# Altium PCB SJ2088POE.PcbDoc (part 5 of 6) (continued)
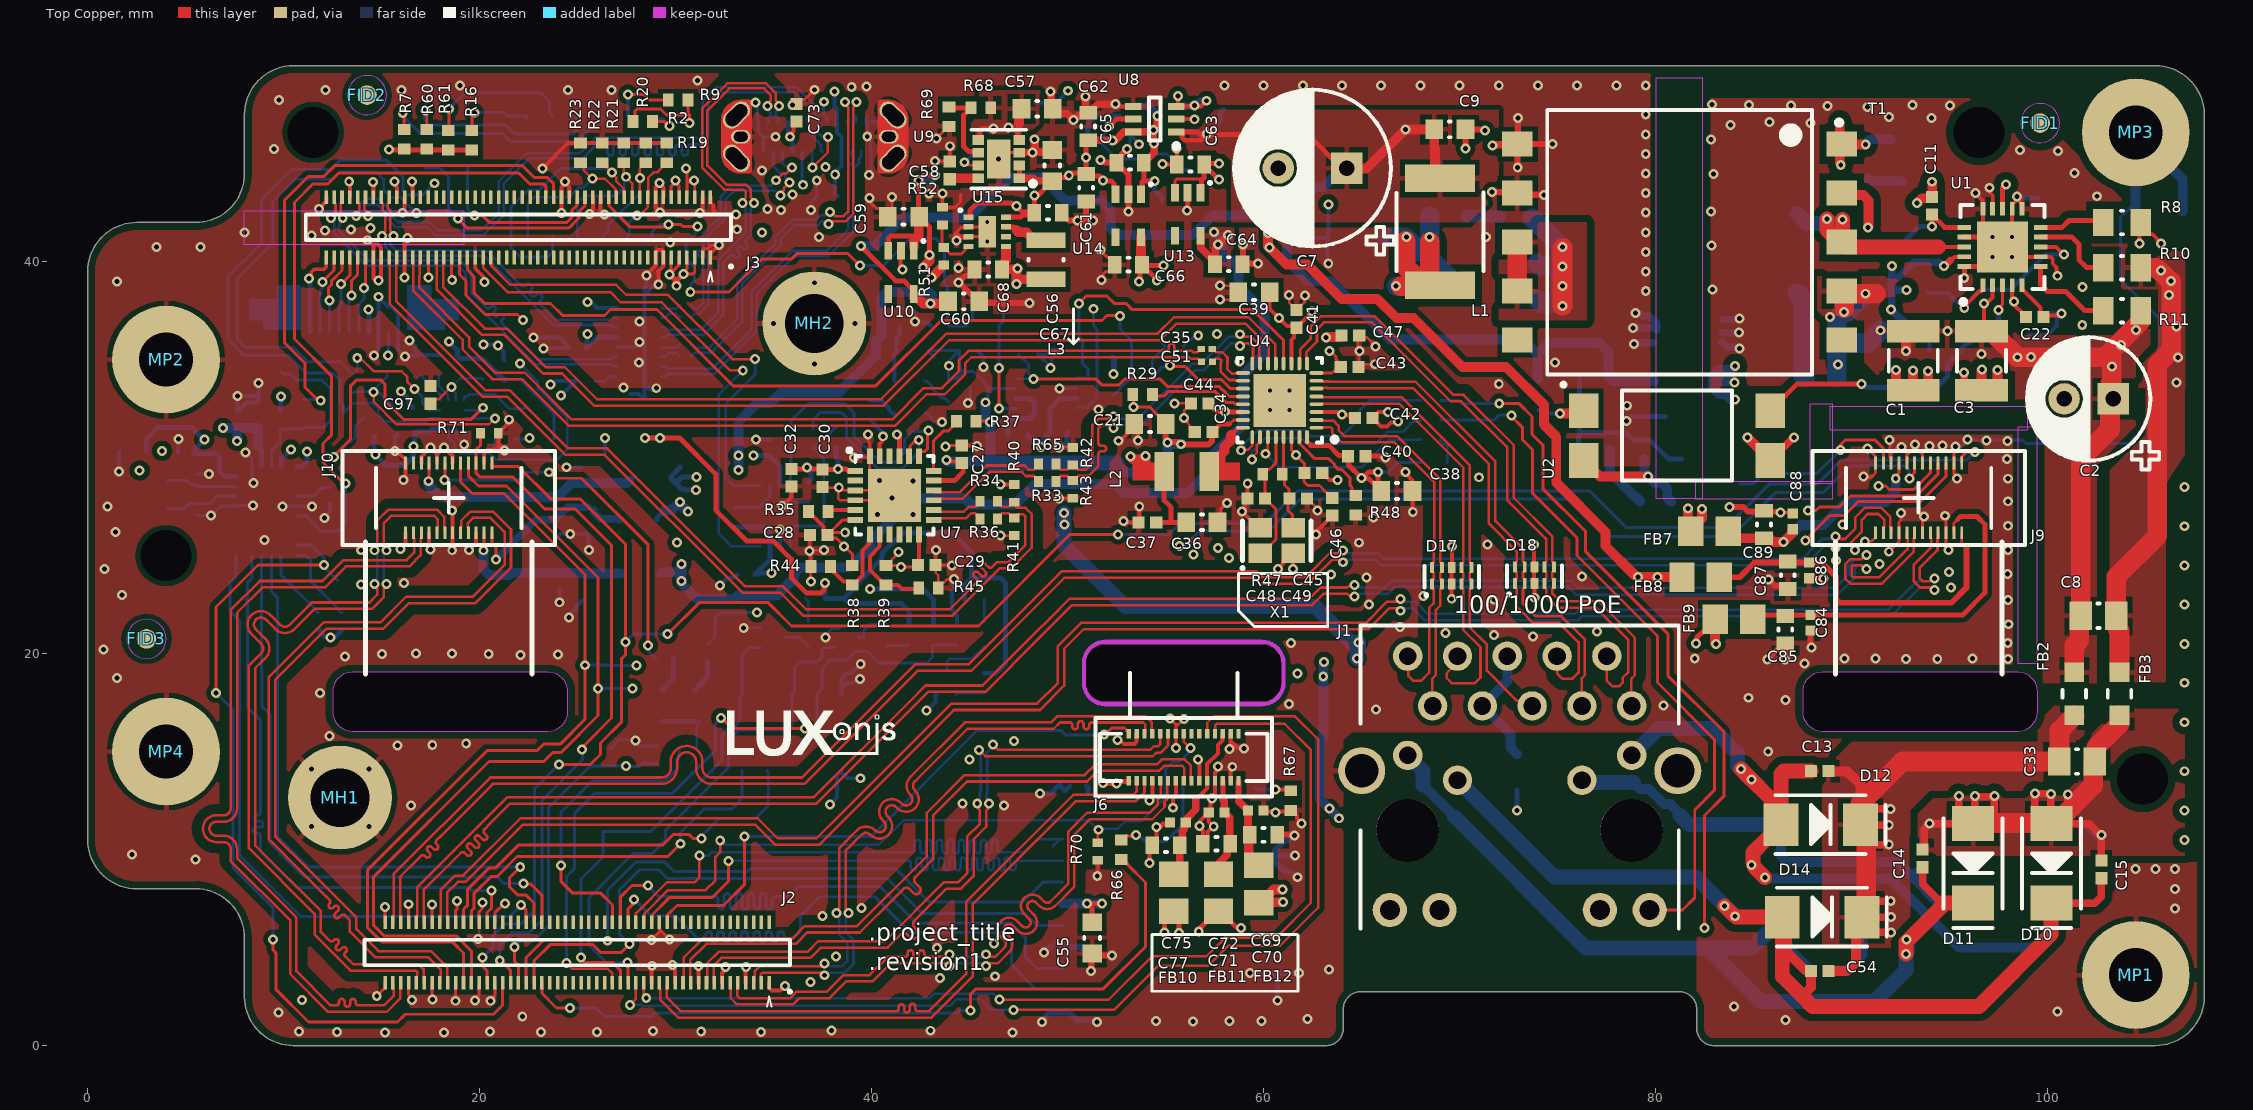
[diagram p0: Top Copper view]
## Nets (pads, with @x,y where several pads share a name; then routed paths per layer and width w, separated by ;. In a path a pad name is that pad's centre, name@x,y a point inside that pad or via, vN(x,y) a via of type N, cw(c..) or ccw(c..) an arc to the next point about the centre after c; other vN are vias at no path point) (continued)
NetTP17_1: TP17.1 U8.5 | length 7.7
  Top Copper w0.254: v1(52.109,46.9) 52.484,47.275 U8.5@53.345,47.275
  Bottom Copper w0.152: v1(52.109,46.9) 52.109,46.804 51.994,46.689 51.994,46.638 51.75,46.394 51.75,46 52.5,45.25 54,45.25 54.25,45.5 55.075,45.5 55.905,44.67 TP17.1@56.234,44.67
NetTP21_1: TP21.1 U11.5 | length 3.3
  Bottom Copper w0.254: TP21.1@51,46.25 51.01,46.26 51.01,46.978 51.459,47.427 52.628,47.427 52.748,47.308 53.313,47.308 U11.5@53.345,47.275
NetTP42_1: TP42.1 U62.6 | length 3.7
  Bottom Copper w0.127: U62.6@19.215,32.965 19.215,33.096 19.251,33.133 19.383,33.133 19.475,33.225 20.775,33.225 21.5,32.5 22.275,32.5 TP42.1@22.35,32.575
nRST_LED: D7.2 R56.1 | length 1.3
  Bottom Copper w0.127: R56.1@36.625,22.825 36.775,22.675 D7.2@36.775,21.625
OE_DIFF0: R35.2 U7.5 | length 1.4
  Top Copper w0.206: R35.2@37.775,27.25 37.852,27.327 U7.5@39.163,27.327
OE_DIFF1: R37.2 U7.18 | length 2.8
  Top Copper w0.152: U7.18@43.163,29.327 43.163,30.863 43.65,31.35 43.9,31.35 R37.2@44.1,31.55
OS_EN: OS1.1 R30.1 | length 1.7
  Bottom Copper w0.152: OS1.1@42.725,33.9 42.825,33.9 43.074,33.651 43.074,33.551 43.576,33.049 43.726,33.049 R30.1@43.925,32.85
OS_OUT: OS1.3 R64.2 | length 1.6
  Bottom Copper w0.206: R64.2@39.927,32.917 40.508,32.917 40.853,32.572 40.853,32.472 41.075,32.25 OS1.3@41.175,32.25
OS_VIN: C20.1 FB1.1 OS1.4 | length 2.9
  Bottom Copper w0.206: OS1.4@41.175,33.9 41.175,35.29 41.278,35.393 41.278,36.103 41.428,36.253 C20.1@41.428,36.69
PCIE_1V0: C36.2 C37.2 C42.2 C43.2 C44.2 C45.2 C46.2 C47.2 L2.2 U4.3 U4.8 U4.22 U4.30 | length 30.4
  Top Copper w0.152: U4.30@61.423,31.05 61.423,30.396 61.644,30.175 v1(61.644,30.129) 62.099,29.674 62.099,29.374 62.147,29.326 C45.2@62.198,29.275 ; C45.2@62.095,29.225 62.058,29.188 62.058,28.765 62.248,28.575 62.85,28.575 63.241,28.184 63.266,28.184 C46.2@63.5,27.95 ; U4.8@62.698,34.325 63.49,34.325 63.94,34.775 63.706,35.009 63.706,35.139 v1@63.393,35.452
  Top Copper w0.203: U4.3@62.698,32.325 63.748,32.325 v1@63.904,32.169 ; v1@64,32.169 64.306,32.169 C42.2@64.425,32.05
  Top Copper w0.254: C37.2@54.525,26.7 55.287,26.7 ; L2.2@54.925,29.3 54.925,27.825 55.287,27.463 55.287,26.7 ; C36.2@56.05,26.7 55.287,26.7 ; C44.2@57.198,32.767 57.61,32.355 v1(58.036,32.355) 58.066,32.325 U4.22@58.948,32.325
  Top Copper w0.508: v1(53.219,30.052) 53.376,29.895 53.797,29.895 v1(53.984,30.081) 53.984,29.541 54.075,29.45 ; v1@63.228,36.141 63.234,36.147 63.91,36.147 C47.2@63.913,36.15
  Signal Layer 2 w0.508: v1(58.036,32.355) 58.036,33.161 59.55,34.675 62.275,34.675 ; v1(61.644,30.129) 63.715,32.2 62.275,33.64 62.275,34.675 ; v1@63.228,36.141 63.228,35.628 62.275,34.675
  other v1: 64,32.2 63.368,35.452 63.178,36.141
PCIe_CLKREQ_N_1V8: J3.65 U6.4 | length 45.9
  Top Copper w0.152: J3.65@18.975,40.21 18.975,39.35 19.3,39.025 19.3,38.275 20.275,37.3 21.935,37.3 v1(22.204,37.031)
  Signal Layer 3 w0.152: v1(22.204,37.031) 23.719,37.031 24.5,36.25 24.5,35.5 25.675,34.325 31.475,34.325 32.6,33.2 40.4,33.2 43.825,36.625 50.125,36.625 ; 50.125,36.625 50.348,36.625 v1(51.321,37.598) 51.098,37.598 50.125,36.625
  Bottom Copper w0.152: U6.4@50.475,32.525 50.522,32.572 50.996,32.572 51.5,33.076 51.5,36.55 51.321,36.729 v1(51.321,37.598)
PCIe_CLKREQ_N_3V3: R46.2 U4.12 U6.1 | length 17.5
  Top Copper w0.152: v1(50.575,37.875) 50.95,38.25 52,38.25 52.375,37.875 ; 52.564,37.875 52.375,37.875 ; U4.12@61.023,34.8 61.023,35.977 59.45,37.55 53.3,37.55 52.975,37.875 52.375,37.875
  Bottom Copper w0.152: U6.1@50.475,34.025 50.522,34.072 50.961,34.072 51.05,34.161 51.05,34.525 50.764,34.811 50.764,35.986 50.575,36.175 v1(50.575,37.875)
PCIe_ISOLATE_N_1V8: R27.2 U6.5 | length 6.3
  Top Copper w0.152: v1(46.5,32.5) v1(46.5,34.575)
  Bottom Copper w0.152: v1(46.5,32.5) 47.35,32.5 U6.5@47.375,32.525 ; v1(46.5,34.575) 46.5,36.735 46.725,36.96 46.725,37.759 R27.2@46.75,37.734
PCIe_ISOLATE_N_3V3: R49.2 U4.20 U6.8 | length 13.8
  Top Copper w0.152: v1(48.25,34.019) 51.432,34.019 51.438,34.025 51.762,33.7 52.6,33.7 52.925,34.025 54.7,34.025 55.084,33.641 57.724,33.641 57.895,33.471 57.914,33.471 58.26,33.125 U4.20@58.948,33.125
  Bottom Copper w0.127: U6.8@47.375,34.025 47.381,34.019 v1(48.25,34.019)
  Bottom Copper w0.152: R49.2@47.5,35.275 47.5,35.225 47.699,35.026 47.749,35.026 48,34.775 48,34.292 48.25,34.042 v1(48.25,34.019)
PCIe_PERST_1V8: J3.63 Q1.1 | length 43.3
  Top Copper w0.152: J3.63@19.375,40.21 19.375,39.575 19.7,39.25 19.7,38.425 20.253,37.872 23.613,37.872 24.235,37.25 26.375,37.25 26.682,37.557 29.043,37.557 32.932,33.668 40.216,33.668 43.548,37 51.75,37 52,37.25 52.641,37.25 v1(52.67,37.222)
  Bottom Copper w0.152: Q1.1@52.325,33.2 52.375,33.2 52.699,33.524 52.699,33.574 53.25,34.125 53.25,36 52.67,36.58 v1(52.67,37.222)
PCIe_PERST_N_3V3: Q1.3 R28.2 U4.19 | length 7.4
  Top Copper w0.152: v1@55.125,34.7 55.175,34.65 56,34.65 56.65,34 57.825,34 58.3,33.525 U4.19@58.948,33.525
  Bottom Copper w0.127: Q1.3@54.325,34.15 54.325,35 R28.2@54.95,35.625
  Bottom Copper w0.152: Q1.3@54.325,34.15 54.375,34.15 54.699,34.474 54.699,34.524 54.811,34.636 55.061,34.636 v1@55.125,34.7 ; R28.2@54.751,35.924 54.95,35.725 R28.2@54.95,35.675
  other v1: 55.225,34.7
PCIe_WAKE_N: R29.2 U4.21 | length 5
  Top Copper w0.152: R29.2@54.325,33.225 54.4,33.15 54.925,33.15 55.162,33.387 57.509,33.387 58.074,32.823 58.461,32.823 58.55,32.734 58.939,32.734 U4.21@58.948,32.725
PG_LED: D3.2 R53.1 | length 1.2
  Bottom Copper w0.152: D3.2@40.75,20.375 40.8,20.425 R53.1@41.9,20.425
RCL: R10.2 U1.9 | length 4.3
  Top Copper w0.203: R10.2@102.884,40.2 R10.2@102.907,40.224
  Top Copper w0.254: U1.9@99.65,41.25 101.25,41.25 101.6,40.9 101.6,40.1 102,39.7 R10.2@102.85,39.7
RDET: R11.2 U1.6 | length 5
  Top Copper w0.152: 99.65,39.277 U1.6@99.65,39.642
  Top Copper w0.254: U1.6@99.65,39.75 99.65,39.277 99.65,38.825 99.997,38.478 100.937,38.478 101.916,37.5 R11.2@102.85,37.5
REF_CLK_SS0: R38.2 R44.1 U7.7 | length 4.4
  Top Copper w0.206: R44.1@37.95,24.3 37.95,24.275 38.072,24.153 38.097,24.153 38.576,23.674 38.841,23.674 R38.2@39.013,23.502 39.063,23.502 39.542,23.981 39.542,25.267 39.9,25.625 39.9,26.064 U7.7@39.913,26.077
REF_CLK_SS1: R39.2 R45.1 U7.8 | length 4.9
  Top Copper w0.206: U7.8@40.413,26.077 40.413,25.463 39.913,24.963 39.913,24.277 40.688,23.502 R39.2@40.738,23.502 41.348,23.502 41.55,23.3 42.325,23.3 R45.1@42.35,23.325
REGOUT: L2.1 U4.24 | length 4.2
  Top Copper w0.203: 58.075,29.375 58.3,29.6 ; 58.339,31.163 58.698,31.522 58.701,31.525 U4.24@58.948,31.525
  Top Copper w0.508: L2.1@57.225,29.3 57.225,29.8 57.471,30.046 L2.1@57.715,30.046 ; 57.811,29.397 57.811,29.95 L2.1@57.715,30.046 ; 58.339,31.163 58.339,30.891 58.012,30.564 58.012,30.344 L2.1@57.715,30.046
RXB_N: J14.B10 U61.18 | length 17.8
  Bottom Copper w0.13: U61.18@29.3,34.648 29.475,34.648 29.595,34.528 31.853,34.528 33.875,36.55 33.875,38.468 35.952,40.545 37.702,40.545 38.816,41.659 38.816,44.846 39.095,45.125 39.095,45.277 38.975,45.397 J14.B10@38.975,45.622
RXB_P: J14.B11 U61.19 | length 18.2
  Bottom Copper w0.13: U61.19@29.3,34.148 29.475,34.148 29.595,34.268 31.961,34.268 34.135,36.442 34.135,38.36 36.06,40.285 37.81,40.285 39.076,41.551 39.076,44.739 39.355,45.017 39.355,45.277 39.475,45.397 J14.B11@39.475,45.622
RXC_N: J14.A10 U61.14 | length 22.1
  Top Copper w0.13: v1(33.411,43) 33.411,43.097 33.579,43.265 33.579,43.571 33.475,43.675 32.481,43.675 31.354,44.801 31.354,47.822 32.636,49.104 34.611,49.104 35.105,48.61 35.105,48.215 35.273,48.047 v1(35.273,47.95)
  Bottom Copper w0.13: U61.14@29.3,36.648 29.475,36.648 29.595,36.528 31.303,36.528 32.177,37.402 32.177,40.077 33.579,41.479 33.579,42.735 33.411,42.903 v1(33.411,43)
  Bottom Copper w0.139: J14.A10@35.225,47.132 35.225,47.357 35.144,47.438 35.109,47.438 35.109,47.636 35.273,47.8 v1@35.273,47.9
RXC_P: J14.A11 U61.15 | length 22.5
  Top Copper w0.13: v1(34.008,43) 34.008,43.097 33.839,43.265 33.839,43.678 33.659,43.859 33.583,43.935 32.588,43.935 31.614,44.909 31.614,47.714 32.744,48.844 34.503,48.844 34.845,48.502 34.845,48.215 34.676,48.047 v1(34.676,47.95)
  Bottom Copper w0.13: U61.15@29.3,36.148 29.475,36.148 29.595,36.268 31.411,36.268 32.437,37.295 32.437,39.95 32.779,40.292 cw(c32.882,40.189) 32.984,40.292 33.02,40.256 ccw(c33.123,40.359) 33.226,40.256 ccw(c33.123,40.359) 33.226,40.462 33.187,40.5 cw(c33.29,40.603) 33.187,40.706 cw(c33.29,40.603) 33.393,40.706 33.432,40.667 ccw(c33.535,40.77) 33.638,40.667 ccw(c33.535,40.77) 33.638,40.873 33.602,40.909 cw(c33.705,41.012) 33.602,41.115 33.754,41.267 ; 33.73,41.243 33.844,41.357 33.839,41.361 33.839,42.735 34.008,42.903 v1(34.008,43)
  Bottom Copper w0.139: v1@34.676,47.9 34.676,47.8 34.84,47.636 34.84,47.438 34.805,47.438 34.725,47.357 J14.A11@34.725,47.132
sd_hst0_clk: J2.61 J7.5 | length 33.9
  Top Copper w0.152: J2.61@22.775,3.21 22.775,4.325 23.6,5.15 25.777,5.15 26.177,4.75 27.225,4.75 v1(27.65,5.175)
  Bottom Copper w0.152: v1(27.65,5.175) 27.125,5.7 27.125,7.938 28.16,8.973 29.127,8.973 29.575,8.525 39.675,8.525 40.808,8.525 42.588,6.746 47.829,6.746 48.435,6.14 J7.5@49.748,6.14
sd_hst0_cmd: J2.63 J7.3 | length 33.6
  Top Copper w0.152: J2.63@22.375,3.21 22.375,4.5 23.279,5.404 26.446,5.404 26.5,5.35 v1(26.525,5.35)
  Bottom Copper w0.152: v1(26.525,5.35) 26.525,7.924 27.976,9.375 29.425,9.375 29.914,8.886 33.676,8.886 33.815,9.025 40.047,9.025 41.234,9.025 42.934,7.325 47.725,7.325 48.74,8.34 J7.3@49.748,8.34
sd_hst0_dat_0: J2.40 J7.7 | length 33.1
  Top Copper w0.152: J2.40@27.175,6.29 27.175,7.575 27.775,8.175 v1(28.6,8.175)
  Bottom Copper w0.152: v1@28.6,8.131 29.131,7.6 31.632,7.6 32.014,7.6 cw(c32.014,7.447) 32.167,7.447 32.167,7.117 ccw(c32.321,7.117) 32.474,7.117 32.474,7.601 cw(c32.627,7.601) 32.78,7.601 32.78,7.117 ccw(c32.933,7.117) 33.087,7.117 33.087,7.601 cw(c33.24,7.601) 33.393,7.601 33.393,7.117 ccw(c33.546,7.117) 33.699,7.117 33.699,7.601 cw(c33.853,7.601) 34.006,7.601 34.006,7.117 ccw(c34.159,7.117) 34.312,7.117 34.312,7.601 cw(c34.465,7.601) 34.619,7.601 34.619,7.117 ccw(c34.772,7.117) 34.925,7.117 34.925,7.447 cw(c35.078,7.447) 35.078,7.6 35.738,7.6 36.269,8.131 37.706,8.131 40.419,8.131 42.306,6.244 47.106,6.244 47.863,5.487 47.863,4.512 48.435,3.94 J7.7@49.748,3.94
sd_hst0_dat_1: J2.38 J7.8 | length 32.8
  Top Copper w0.152: J2.38@27.575,6.29 27.575,6.99 v1@28.05,7.465
  Bottom Copper w0.139: 47.125,4.13 48.365,2.89 J7.8@49.748,2.89
  Bottom Copper w0.152: v1(27.886,7.465) 28.725,6.625 29.975,6.625 31.145,5.455 31.344,5.455 31.533,5.644 cw(c31.687,5.644) 31.84,5.644 31.84,5.459 ; 31.837,5.455 ccw(c31.99,5.455) 32.143,5.455 32.143,5.641 ; 32.147,5.628 32.147,5.66 cw(c32.3,5.66) 32.453,5.66 32.453,5.474 ccw(c32.606,5.474) 32.759,5.474 32.759,5.66 cw(c32.913,5.66) 33.066,5.66 33.066,5.474 ccw(c33.219,5.474) 33.372,5.474 33.372,5.66 cw(c33.525,5.66) 33.679,5.66 33.679,5.474 ccw(c33.832,5.474) 33.985,5.474 33.985,5.66 cw(c34.138,5.66) 34.291,5.66 34.291,5.474 ccw(c34.445,5.474) 34.598,5.474 34.598,5.66 cw(c34.751,5.66) 34.904,5.66 34.904,5.474 ccw(c35.057,5.474) 35.211,5.474 35.211,5.66 cw(c35.364,5.66) 35.517,5.66 35.517,5.628 ccw(c35.67,5.628) 35.67,5.475 36.002,5.475 36.379,5.853 36.379,6.629 37.345,7.595 40.155,7.595 41.966,5.784 46.71,5.784 47.125,5.369 47.125,4.13
sd_hst0_dat_2: J2.36 J7.1 | length 33.7
  Top Copper w0.127: J2.36@27.975,6.29 27.975,6.75 29.57,8.345 30.982,8.345 31.2,8.563 31.2,9.675 v1(31.225,9.7)
  Bottom Copper w0.127: v1(31.225,9.7) 31.667,9.7 31.843,9.876 41.998,9.876 42.062,9.876 ccw(c42.062,10.017) 42.202,10.017 42.202,10.358 cw(c42.343,10.358) 42.483,10.358 42.483,9.963 ccw(c42.624,9.963) 42.764,9.963 42.764,10.358 cw(c42.905,10.358) 43.045,10.358 43.045,9.963 ccw(c43.186,9.963) 43.326,9.963 43.326,10.358 cw(c43.467,10.358) 43.607,10.358 43.607,9.963 ccw(c43.748,9.963) 43.888,9.963 43.888,10.358 cw(c44.029,10.358) 44.169,10.358 44.169,9.963 ccw(c44.31,9.963) 44.45,9.963 44.45,10.358 cw(c44.591,10.358) 44.731,10.358 44.731,9.963 ccw(c44.872,9.963) 45.012,9.963 45.012,10.358 cw(c45.153,10.358) 45.293,10.358 45.293,9.963 ccw(c45.434,9.963) 45.574,9.963 45.574,10.358 cw(c45.715,10.358) 45.855,10.358 45.855,9.963 ccw(c45.996,9.963) 46.136,9.963 46.136,10.358 cw(c46.277,10.358) 46.417,10.358 46.417,10.017 ccw(c46.558,10.017) 46.558,9.876 47.247,9.876 47.801,9.876 48.465,10.54 J7.1@49.623,10.54 ; J7.1@49.262,10.178 J7.1@49.623,10.54 ; J7.1@49.748,10.54 J7.1@49.623,10.54
sd_hst0_dat_3: J2.32 J7.2 | length 33.3
  Top Copper w0.152: J2.32@28.775,6.29 28.789,6.304 28.789,6.664 29.675,7.55 31.854,7.55 32.706,8.402 v1(32.706,9.416)
  Bottom Copper w0.127: v1@32.706,9.44 41.522,9.44 41.867,9.44 cw(c41.867,9.299) 42.007,9.299 42.007,9.088 ccw(c42.148,9.088) 42.288,9.088 42.288,9.453 cw(c42.429,9.453) 42.569,9.453 42.569,9.088 ccw(c42.71,9.088) 42.85,9.088 42.85,9.453 cw(c42.991,9.453) 43.131,9.453 43.131,9.088 ccw(c43.272,9.088) 43.412,9.088 43.412,9.453 cw(c43.553,9.453) 43.693,9.453 43.693,9.088 ccw(c43.834,9.088) 43.974,9.088 43.974,9.453 cw(c44.115,9.453) 44.255,9.453 44.255,9.088 ccw(c44.396,9.088) 44.536,9.088 44.536,9.453 cw(c44.677,9.453) 44.817,9.453 44.817,9.088 ccw(c44.958,9.088) 45.098,9.088 45.098,9.453 cw(c45.239,9.453) 45.379,9.453 45.379,9.088 ccw(c45.52,9.088) 45.66,9.088 45.66,9.453 cw(c45.801,9.453) 45.941,9.453 45.941,9.088 ccw(c46.082,9.088) 46.222,9.088 46.222,9.453 cw(c46.363,9.453) 46.503,9.453 46.503,9.088 ccw(c46.644,9.088) 46.784,9.088 46.784,9.453 cw(c46.925,9.453) 47.065,9.453 47.065,9.088 ccw(c47.206,9.088) 47.346,9.088 47.346,9.299 cw(c47.487,9.299) 47.487,9.44 47.775,9.44 J7.2@49.748,9.44
SDS_IO_CLKI1_N: R36.2 U7.13 | length 2.7
  Top Copper w0.13: U7.13@43.163,26.827 43.248,26.912 43.572,26.912 43.574,26.914 43.758,26.914 44.833,26.914 45.082,27.163 45.289,27.163 45.365,27.086 45.365,27.035 R36.2@45.525,26.875
SDS_IO_CLKI1_P: R34.2 U7.14 | length 2.7
  Top Copper w0.13: U7.14@43.163,27.327 43.248,27.242 43.572,27.242 43.574,27.239 43.893,27.239 44.699,27.239 44.947,27.487 45.289,27.487 45.365,27.564 45.365,27.615 R34.2@45.525,27.775
SDS_IO_CLKI_N: J3.81 R36.1 R41.2 | length 47.2
  Top Copper w0.13: J3.81@15.775,40.21 15.75,40.185 15.75,39.875 15.737,39.862 15.737,37.988 15.895,37.83 18.148,35.577 20.281,33.444 21.531,33.444 24.503,30.472 26.503,30.472 33.36,23.615 33.541,23.434 35.473,23.434 36.64,22.267 43.992,22.267 45.035,23.31 45.35,23.625 ccw(c45.249,23.725) 45.35,23.825 45.233,23.943 cw(c45.333,24.043) 45.233,24.143 cw(c45.333,24.043) 45.433,24.143 45.598,23.978 ccw(c45.699,24.079) 45.799,24.179 45.592,24.386 cw(c45.693,24.486) 45.793,24.587 45.952,24.428 ccw(c46.053,24.528) 46.153,24.428 46.4,24.675 46.975,24.675 47.845,25.545 47.845,26.744 47.845,26.86 47.845,26.994 47.725,27.115 47.449,27.115 47.373,27.038 47.373,27.037 R41.2@47.261,26.925 ; R36.1@46.425,26.875 46.585,27.035 46.585,27.098 46.65,27.163 46.805,27.163 46.989,27.163 47.065,27.086 47.065,27.085 47.225,26.925 R41.2@47.261,26.925 ; R41.2@47.213,26.877 R41.2@47.261,26.925 ; R41.2@47.325,26.925 R41.2@47.275,26.925 R41.2@47.261,26.925
  Top Copper w0.223: R36.1@46.425,26.875 R36.1@46.425,26.925
SDS_IO_CLKI_P: J3.83 R34.1 R40.1 | length 47.2
  Top Copper w0.13: J3.83@15.375,40.21 15.4,40.185 15.4,39.875 15.413,39.862 15.413,37.853 15.78,37.485 17.823,35.442 20.147,33.119 21.397,33.119 24.369,30.147 26.369,30.147 33.226,23.29 33.406,23.109 35.338,23.109 36.506,21.942 44.126,21.942 46.534,24.35 47.11,24.35 48.17,25.411 48.17,27.129 47.859,27.439 47.449,27.439 47.373,27.516 47.373,27.517 R40.1@47.213,27.677 ; R34.1@46.425,27.775 46.585,27.615 46.585,27.552 46.65,27.487 46.67,27.487 46.989,27.487 47.065,27.564 47.065,27.565 47.225,27.725 R40.1@47.275,27.725 R40.1@47.325,27.725
SDS_RXD1_N: C51.2 U4.18 | length 2.5
  Top Copper w0.13: C51.2@57.382,34.892 57.402,34.892 57.568,35.059 57.757,35.059 57.833,34.983 57.833,34.875 57.825,34.867 57.825,34.378 58.24,33.963 58.525,33.963 58.549,33.938 58.935,33.938 U4.18@58.948,33.925
SDS_RXD1_P: C35.2 U4.17 | length 2.5
  Top Copper w0.13: C35.2@57.38,35.55 57.475,35.455 57.495,35.455 57.566,35.384 57.891,35.384 58.158,35.117 58.158,34.692 58.15,34.684 58.15,34.512 58.375,34.287 58.525,34.287 58.549,34.312 58.935,34.312 U4.17@58.948,34.325
SDS_RXD_N: C51.1 J3.77 | length 46.9
  Top Copper w0.13: J3.77@16.575,40.21 16.6,40.185 16.6,39.875 16.613,39.862 16.613,39.665 16.6,39.653 16.6,38.54 19.138,36.003 19.138,35.528 20.653,34.012 22.167,34.012 24.554,31.625 41.188,31.625 42.788,33.225 43.73,33.225 44.784,34.279 44.784,34.825 45.085,35.125 56.202,35.125 56.269,35.059 56.636,35.059 56.802,34.892 C51.1@56.822,34.892
SDS_RXD_P: C35.1 J3.75 | length 46.9
  Top Copper w0.13: J3.75@16.975,40.21 16.95,40.185 16.95,39.875 16.937,39.862 16.937,39.262 16.925,39.25 16.925,38.675 19.462,36.137 19.462,35.663 20.788,34.337 22.302,34.337 24.689,31.95 41.054,31.95 42.654,33.55 43.595,33.55 44.459,34.414 44.459,34.959 44.95,35.45 54.338,35.45 55.024,35.45 ccw(c55.024,35.592) 55.166,35.592 55.166,35.68 cw(c55.308,35.68) 55.308,35.822 cw(c55.308,35.68) 55.45,35.68 55.45,35.592 ccw(c55.592,35.592) 55.592,35.45 55.941,35.45 56.337,35.45 56.403,35.384 56.634,35.384 56.8,35.55 C35.1@56.82,35.55
SDS_TXD_N: J3.71 U4.14 | length 49.6
  Top Copper w0.13: J3.71@17.775,40.21 17.8,40.185 17.8,39.875 17.813,39.862 17.813,38.578 20.129,36.262 21.263,36.262 23.232,34.293 24.207,34.293 25.845,32.655 40.614,32.655 43.959,36 54.724,36 55.564,36.84 59.085,36.84 60.261,35.664 60.261,35.107 60.223,35.069 U4.14@60.223,34.8
SDS_TXD_P: J3.69 U4.13 | length 49.6
  Top Copper w0.13: J3.69@18.175,40.21 18.15,40.185 18.15,39.875 18.137,39.862 18.137,38.713 20.263,36.587 21.398,36.587 23.366,34.618 24.341,34.618 25.98,32.98 40.48,32.98 43.825,36.325 54.589,36.325 55.43,37.165 59.219,37.165 60.585,35.799 60.585,35.107 60.623,35.069 U4.13@60.623,34.8
SP1: C12.1 C16.2 D9.1 D13.2 J1.13 | length 31.3
  Bottom Copper w0.381: 93.629,8.128 94.45,7.307 96.161,7.307 D9.1@96.2,7.268
  Bottom Copper w0.508: J1.13@76.245,13.541 76.479,13.541 J1.13@76.669,13.351 ; 78.876,13.421 79.208,13.089 79.658,13.089 80.424,12.323 80.75,12.323 81.25,11.823 81.25,11.75 ; C12.1@87.925,14 86.691,14 86.393,13.702 D13.2@86.393,11.275 86.393,9.673 86.691,9.375 92.343,9.375 92.976,8.742 ; C16.2@93.629,9.1 93.271,8.742 92.976,8.742 ; D9.1@96.2,7.268 94.45,7.268 92.976,8.742
  Bottom Copper w0.762: J1.13@76.738,13.421 78.876,13.421 ; 81.25,11.75 81.725,11.275 D13.2@86.393,11.275
SP2: C13.1 C17.2 D8.1 D12.2 J1.14 | length 42
  Top Copper w0.508: v1(84.9,9.225) 84.975,9.3 v1@84.975,9.375 ; 85.781,12.694 85.781,11.887 D12.2@86.393,11.275
  Top Copper w0.762: v1(84.362,14.109) v1@84.896,13.575 ; v1(84.9,13.575) 85.781,12.694 ; v1@84.975,9.375 84.975,9.857 85.694,10.577 85.885,10.577 86.393,11.085 D12.2@86.393,11.275 86.393,13.863 86.54,14.01 C13.1@87.925,14.01 ; v1@85.037,9.109 v1@85.571,8.575
  Bottom Copper w0.381: D8.1@100.2,7.268 102.411,7.268 102.747,7.604 C17.2@102.747,8.541
  Bottom Copper w0.508: v1@84.875,13.575 v1(84.9,13.575) ; v1(84.9,9.225) 85.6,8.525 91.975,8.525 95.5,5 99.425,5 100.2,5.775 D8.1@100.2,7.268
  Bottom Copper w0.762: J1.14@78.785,14.811 80.149,16.175 82.925,16.175 84.175,14.925 84.175,14.275 v1@84.875,13.575
  other v1: 85.575,8.575
SPI_CS_0: J2.70
SPI_SIO2: J2.66
SPI_SIO3: J2.68
STRB2: J9.14 TP18.1 | length 9.3
  Top Copper w0.152: v1(89.435,30.393) 89.435,30.657 89.669,30.891 91.209,30.891 91.623,30.477 J9.14@91.623,29.725
  Bottom Copper w0.152: TP18.1@84.317,28.664 84.992,28.664 85.532,29.203 85.658,29.203 85.661,29.2 88.241,29.2 v1(89.435,30.393)
STROBE1: J10.14
SWO: D4.2 T1.3 U1.18 | length 11.3
  Top Copper w0.203: 94.429,40.75 U1.18@95.75,40.75
  Top Copper w0.762: v1(88.75,42.175) 88.75,41.61 89.36,41 89.545,41.185 v1(89.545,42.15) ; T1.3@89.5,41 89.75,40.75 94.429,40.75
  Bottom Copper w0.762: D4.2@87.223,42.457 87.731,41.949 89.3,41.949
SYS_RST: J3.89 J4.6 | length 3.9
  Top Copper w0.152: v1(14.1,38.65) 14.175,38.725 J3.89@14.175,40.21
  Bottom Copper w0.152: J4.6@13.842,36.405 13.842,37.842 14.1,38.1 v1(14.1,38.65)
TCK: J3.97 J4.2 | length 4.1
  Top Copper w0.152: v1(11.975,38.975) 12.575,39.575 J3.97@12.575,40.21
  Bottom Copper w0.152: J4.2@11.842,36.405 11.842,38.516 11.975,38.65 v1(11.975,38.975)
TDI: J3.95 J4.3 | length 4.1
  Top Copper w0.152: v1(12.342,38.008) 12.296,38.054 12.296,38.683 12.449,38.837 12.449,39.024 12.975,39.55 J3.95@12.975,40.21
  Bottom Copper w0.152: J4.3@12.342,36.405 v1(12.342,38.008)
TDO: J3.91 J4.5 | length 4
  Top Copper w0.152: v1(13.45,38.275) 13.45,39.016 13.775,39.341 J3.91@13.775,40.21
  Bottom Copper w0.152: J4.5@13.342,36.405 13.342,38.167 v1(13.45,38.275)
TMS: J3.99 J4.1 | length 4.4
  Top Copper w0.18: v1@11.356,39.128 11.407,39.18 11.407,39.457 11.575,39.625 12.07,39.625 12.175,39.73 J3.99@12.175,40.21
  Bottom Copper w0.254: J4.1@11.342,36.405 11.342,39.114 v1@11.356,39.128
  other v1: 11.281,39.153
TRST: J3.93 J4.4 | length 4
  Top Copper w0.152: v1(12.925,38.85) 13.375,39.3 J3.93@13.375,40.21
  Bottom Copper w0.152: J4.4@12.842,36.405 12.825,36.422 12.825,37.725 12.925,37.825 v1(12.925,38.85)
TXB1_N: C209.2 U61.16 | length 1
  Bottom Copper w0.13: U61.16@29.3,35.648 29.345,35.604 30.03,35.604 30.2,35.774 C209.2@30.22,35.774
TXB1_P: C208.2 U61.17 | length 1.1
  Bottom Copper w0.13: U61.17@29.3,35.148 29.475,35.148 29.67,35.344 30.03,35.344 30.2,35.174 C208.2@30.22,35.174
TXB_N: C209.1 J14.A3 | length 19.3
  Top Copper w0.13: v1(37.875,42.525) 37.936,42.525 38.14,42.321 38.571,42.321 38.804,42.554 38.804,47.885 38.636,48.053 v1(38.636,48.15)
  Bottom Copper w0.13: C209.1@30.78,35.774 30.8,35.774 30.97,35.604 31.704,35.604 33.137,37.037 33.137,38.97 35.115,40.948 35.115,41.283 35.961,42.129 37.171,42.129 37.401,42.359 37.607,42.359 37.773,42.525 v1(37.875,42.525) ; v1(38.636,48.15) 38.636,48.053 38.804,47.885 38.804,47.212 J14.A3@38.725,47.132
TXB_P: C208.1 J14.A2 | length 19.7
  Top Copper w0.13: v1(37.8,41.933) 37.902,41.933 38.03,42.061 38.678,42.061 39.064,42.447 39.064,47.885 39.233,48.053 v1(39.233,48.15)
  Bottom Copper w0.13: C208.1@30.78,35.174 30.8,35.174 30.97,35.344 31.811,35.344 33.397,36.929 33.397,38.862 35.375,40.84 35.375,41.175 36.069,41.869 37.278,41.869 37.476,42.066 37.583,42.066 37.716,41.933 v1(37.8,41.933) ; J14.A2@39.225,47.132 39.225,47.357 39.064,47.518 39.064,47.885 39.233,48.053 v1(39.233,48.15)
TXC1_N: C212.2 U61.12 | length 1
  Bottom Copper w0.13: U61.12@29.3,37.648 29.345,37.604 30.03,37.604 C212.2@30.2,37.774
  Bottom Copper w0.139: C212.2@30.2,37.774 C212.2@30.22,37.774
TXC1_P: C211.2 U61.13 | length 1.1
  Bottom Copper w0.13: U61.13@29.3,37.148 29.475,37.148 29.67,37.344 30.03,37.344 C211.2@30.2,37.174
  Bottom Copper w0.139: C211.2@30.2,37.174 C211.2@30.22,37.174
TXC_N: C212.1 J14.B3 | length 12.4
  Top Copper w0.13: v1(35.113,44.156) 35.442,44.484 35.615,44.484 v1(35.932,44.801)
  Bottom Copper w0.13: C212.1@30.78,37.774 30.8,37.774 30.97,37.604 31.1,37.604 31.398,37.902 31.398,40.06 31.398,40.125 ccw(c31.257,40.125) 31.257,40.266 31.251,40.266 cw(c31.251,40.407) 31.11,40.407 cw(c31.251,40.407) 31.251,40.548 31.257,40.548 ccw(c31.257,40.689) 31.398,40.689 31.398,41.1 31.398,41.43 32.304,42.336 32.304,43.32 32.86,43.875 34.866,43.875 35.113,44.123 v1(35.113,44.156) ; J14.B3@35.475,45.622 35.475,45 35.65,44.825 35.907,44.825 v1(35.932,44.801)
TXC_P: C211.1 J14.B2 | length 12.9
  Top Copper w0.13: v1(35.346,43.384) 35.346,43.474 35.521,43.649 35.521,43.766 v1(35.8,44.045)
  Bottom Copper w0.13: C211.1@30.78,37.174 30.8,37.174 30.97,37.344 31.208,37.344 31.658,37.794 31.658,41.323 32.564,42.228 32.564,43.212 32.967,43.615 35.081,43.615 35.313,43.384 v1(35.346,43.384) ; J14.B2@35.047,45.55 J14.B2@34.975,45.622 34.975,44.875 35.325,44.525 35.505,44.525 35.586,44.444 35.586,44.311 35.775,44.122 v1@35.775,44.045
USB_CM: R31.1 U62.3 | length 1.8
  Bottom Copper w0.127: R31.1@16.915,34.24 16.965,34.24 17.978,33.226 17.978,33.001 U62.3@18.015,32.965
USB_D_N: J3.90 J14.A7 J14.B7 | length 39.2
  Top Copper w0.13: J3.90@14.175,43.29 14.175,43.03 14.15,43.005 14.142,43.005 14.105,42.968 14.105,42.694 14.226,42.573 14.226,42.494 14.298,42.422 v1(14.298,42.325)
  Bottom Copper w0.13: v1(14.298,42.325) 14.298,42.422 14.13,42.59 14.13,42.8 14.27,42.94 14.742,42.94 15.074,42.608 15.186,42.497 15.186,42.292 15.713,41.765 17.325,41.765 17.738,41.352 20.199,41.352 21.235,42.388 21.235,44 22.51,45.275 25.25,45.275 25.956,45.981 26.353,45.981 cw(c26.353,45.823) 26.511,45.823 26.511,45.58 ccw(c26.669,45.58) 26.669,45.422 ccw(c26.669,45.58) 26.828,45.58 26.828,45.826 cw(c26.986,45.826) 26.986,45.984 cw(c26.986,45.826) 27.144,45.826 27.144,45.58 ccw(c27.302,45.58) 27.302,45.422 ccw(c27.302,45.58) 27.46,45.58 27.46,45.826 cw(c27.619,45.826) 27.619,45.984 cw(c27.619,45.826) 27.777,45.826 27.777,45.58 ccw(c27.935,45.58) 27.935,45.422 ccw(c27.935,45.58) 28.093,45.58 28.093,45.826 cw(c28.252,45.826) 28.252,45.984 cw(c28.252,45.826) 28.41,45.826 28.41,45.58 ccw(c28.568,45.58) 28.568,45.422 ccw(c28.568,45.58) 28.726,45.58 28.726,45.826 cw(c28.884,45.826) 28.884,45.984 cw(c28.884,45.826) 29.043,45.826 29.043,45.58 ccw(c29.201,45.58) 29.201,45.422 ccw(c29.201,45.58) 29.359,45.58 29.359,45.826 cw(c29.517,45.826) 29.517,45.984 cw(c29.517,45.826) 29.676,45.826 29.676,45.58 ccw(c29.834,45.58) 29.834,45.422 ccw(c29.834,45.58) 29.992,45.58 29.992,45.826 cw(c30.15,45.826) 30.15,45.984 cw(c30.15,45.826) 30.308,45.826 30.308,45.58 ccw(c30.467,45.58) 30.467,45.422 ccw(c30.467,45.58) 30.625,45.58 30.625,45.823 cw(c30.783,45.823) 30.783,45.981 31.236,45.981 31.654,46.399 31.654,48.122 32.169,48.637 36.082,48.637 36.783,47.936 36.845,47.874 36.845,47.477 36.725,47.357 J14.A7@36.725,47.132 36.805,47.052 36.805,46.561 36.882,46.484 36.882,46.481 37.394,45.97 37.394,45.703 J14.B7@37.475,45.622
  Bottom Copper w0.139: v1@14.273,42.425 14.273,42.325 v1@14.28,42.332 ; v1@14.298,42.422 v1@14.298,42.425